# Altium PCB WX0.011.749PCB-4.2.PcbDoc (part 3 of 3)
Units mil, origin at the board's own origin, x right, y up, seen from the top; angles counter-clockwise.
Board outline 4498.23 x 1899.81 mil, 2 copper layers (Top Layer, Bottom Layer), stack 12.8 mil thick; 195 components, 148 nets, 684 pads, 621 vias.
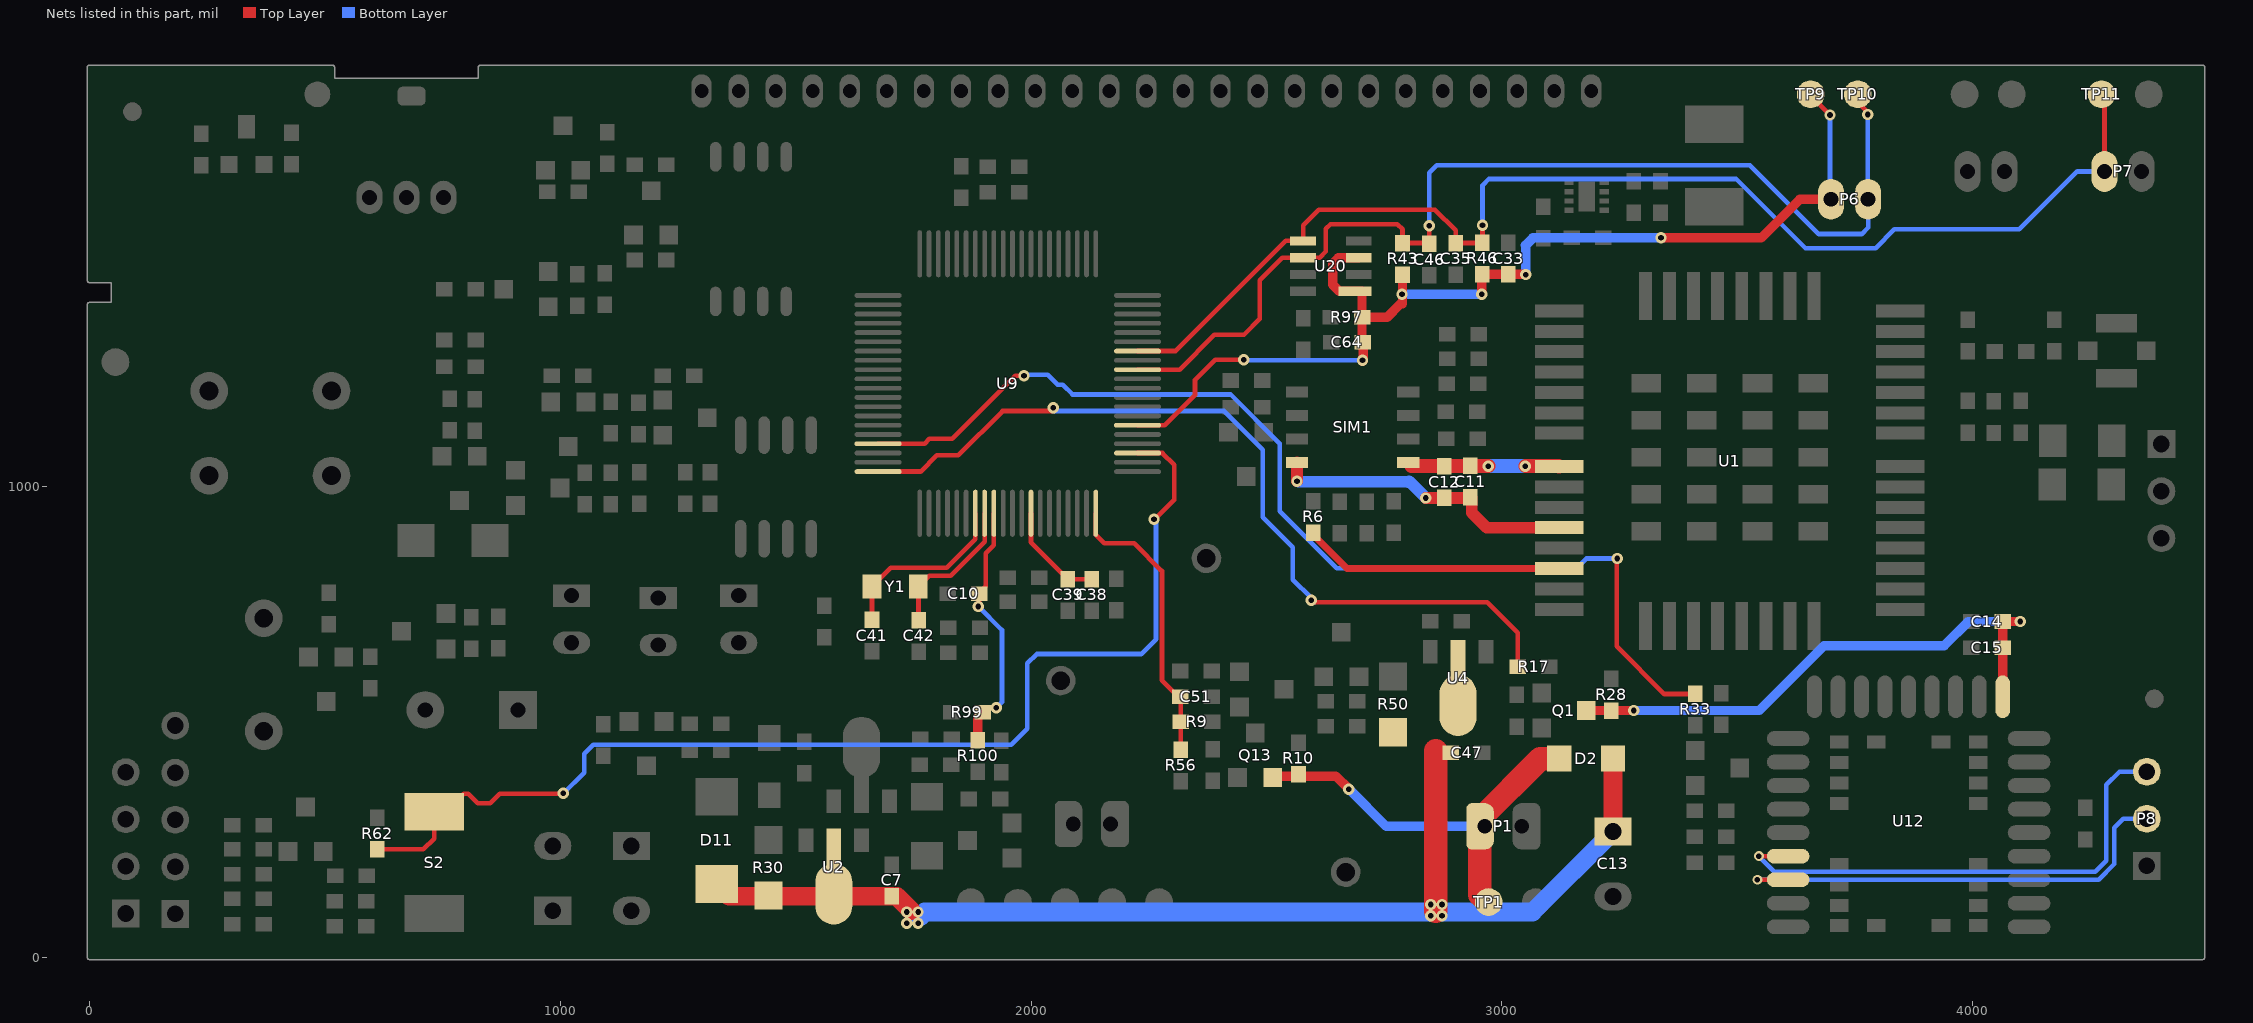
[diagram p3: the nets of this part, all layers, seen from the top]

## Via types
v1: diameter 24, hole 12, Top Layer to Bottom Layer, tented both sides, 618 vias
v2: diameter 21, hole 12, Top Layer to Bottom Layer, tented both sides, 3 vias

## Nets (pads, with @x,y where several pads share a name; then routed paths per layer and width w, separated by ;. In a path a pad name is that pad's centre, name@x,y a point inside that pad or via, vN(x,y) a via of type N, cw(c..) or ccw(c..) an arc to the next point about the centre after c; other vN are vias at no path point) (continued)
USIM_GND: C11.2 C12.2 SIM1.1 U1.8 | length 314.2
  Top Layer w30: SIM1.1@2808.29,1043.51 C11.2@2933,1043.51 C11.2@2936,1043.51 ; C11.2@2936,1042.51 2936.49,1043 v1(2971,1043) ; v1(3050,1043) 3120.61,1043 3121.61,1042 U1.8@3121.79,1042.19
  Bottom Layer w30: v1(2971,1043) v1(3050,1043)
USIM_RST: R6.2 U1.13 | length 554.8
  Top Layer w15: R6.2@2599,900 2599,898 2671.35,825.65 U1.13@3121.79,825.65
USIM_VDD: C11.1 C12.1 SIM1.8 U1.11 | length 655
  Top Layer w25: v1(2565,1011) SIM1.8@2565,1050.57 ; v1(2838.49,975.51) C12.1@2878,975.51 C11.1@2936,975.51 ; C11.1@2936,976.51 C11.1@2936,975.51 ; U1.11@3121.79,912.27 2967.73,912.27 2936,944 C11.1@2936,975.51
  Bottom Layer w25: v1@2568,1010 2800,1010 2801,1009 2803,1011 v1(2838.49,975.51)
VDD_XS: C14.1 C15.1 Q1.3 R28.1 U12.10@4063.94,553.15 | length 1196.9
  Top Layer w20: Q1.3@3179.24,524 v1(3280,524) ; U12.10@4063.94,553.15 C14.1@4063.94,713 ; C14.1@4064,713 v1(4101,713)
  Bottom Layer w20: v1(3280,524) 3546.89,524 3684.32,661.43 3939.43,661.43 3991,713 v1(4101,713)
VDD_XS_CTL: R17.1 U9.80 | length 1802.2
  Top Layer w10: U9.80@1674.93,1031.58 1765.13,1031.58 1799.55,1066 1845.43,1066 1939.43,1160 v1@2048,1160 ; v1(2595,758) 2599,754 2969,754 3034,689 R17.1@3034,617
  Bottom Layer w10: v1@2047,1160 2410,1160 2492,1078 2492,934.96 2556,870.96 2556,802.25 v1@2595,763.25
  other v1: 2047,1167
VIN: D2.1 P1.1 Q13.2 R10.2 TP1.1 | length 899.8
  Top Layer w20: Q13.2@2514.4,384.76 2647.24,384.76 v1(2675,357) ; P1.1@2948,278 2953,278 P1.1@2963.63,278
  Top Layer w50: P1.1@2953,293 2953,278 2953,133 TP1.1@2971,115 ; P1.1@2954,294 3082,422 D2.1@3121.83,422
  Bottom Layer w20: v1(2675,357) 2754,278 P1.1@2948,278
VIN_ADC: C51.2 R9.2 R56.1 U9.20 | length 610.7
  Top Layer w10: U9.20@2137.52,943 2137.52,896.98 2155.51,879 2219.26,879 2278,820.26 2278,588 C51.2@2313.5,552.5 ; R56.1@2318,441 R9.2@2318,500 C51.2@2318,551
VIN_N: C7.1 C13.1 C47.1 D2.2 D11.2 R30.1 R50.1 U2.2 U4.2 | length 2458.2
  Top Layer w40: D11.2@1357.99,129.51 C7.1@1704,129.51 ; C7.1@1714.49,129.51 v1@1745,99 ; C13.1@3236,266.9 D2.2@3236,422
  Top Layer w50: 2860,98 2860,439 ; U4.2@2907,535 U4.2@2907,559.26
  Bottom Layer w40: v1@1763.11,85 1774.11,96 3065.1,96 C13.1@3235,265.9 ; C13.1@3235.47,265.9 C13.1@3235,265.9 ; C13.1@3236,266.9 C13.1@3235,265.9
  other v1: 1736,72 1760,72 2849,88 2873,88 1736,96 1760,96 2849,112 2873,112
VREF+: C38.1 C39.1 U9.13 | length 222
  Top Layer w10: U9.13@1999.73,943 1999.73,881.11 C39.1@2077.84,803 ; C39.1@2079.51,803 C38.1@2129.18,803
VRTC: C10.1 R99.1 R100.2 U9.9 | length 549.8
  Top Layer w10: v1(1888,745) 1888.98,745 1889.49,745.51 C10.1@1889.49,772 ; C10.1@1888,772 1903.99,787.99 1903.99,857.99 1920.99,874.99 U9.9@1920.99,943 ; R99.1@1897,520 1907,530 v1(1926,530)
  Top Layer w20: R100.2@1887,461 1887,510 R99.1@1897,520
  Bottom Layer w10: v1(1888,745) 1938,695 1938,542 v1(1926,530)
WY_POW: C33.2 C64.2 P6.1 R43.1 R46.2 R97.2 TP9.1 U9.26 U20.1 U20.3 | length 2330.3
  Top Layer w10: U9.26@2226.11,1130.01 2284.01,1130.01 2348,1194 2348,1226 2391,1269 v1(2452,1269) ; v1@3049,1451 3050,1450 v1(3051,1450) ; TP9.1@3656,1831 3697,1790 v1(3697,1789)
  Top Layer w20: U20.3@2695.97,1485.71 2652.71,1485.71 2641,1474 2641,1428 2654.16,1414.84 U20.1@2688.09,1414.84 2703,1414.84 R97.2@2703,1359 ; C64.2@2703.51,1303 C64.2@2705.51,1298 ; v1@2704,1265.98 v1(2704,1268) ; v1@2705.51,1267.49 C64.2@2705.51,1298 ; 2785,1388 2756,1359 R97.2@2703,1359 ; 2789,1388 R43.1@2789,1441.84 ; v1(2957,1408) 2957,1450 R46.2@2958,1451 3013.49,1451 C33.2@3014,1450.49 3048.49,1450.49 v1@3049,1451 ; v1(3338,1528) 3551,1528 3633,1610 P6.1@3699.26,1610 ; R97.2@2703,1359 2703,1296.51 C64.2@2705.51,1298
  Bottom Layer w10: v1(2452,1269) 2453,1268 v1(2704,1268) ; v1(3697,1789) 3697,1612.26 P6.1@3699.26,1610
  Bottom Layer w20: v1(2788,1408) v1@2955,1408 ; v1(3051,1450) 3051,1511 3050,1512 3066,1528 v1(3338,1528)
WY_SCL: C35.1 P7.1 R46.1 TP11.1 U9.34 U20.5 | length 2660.5
  Top Layer w10: U9.34@2226.11,1287.49 2306.74,1287.49 2541.25,1522 2577,1522 U20.5@2577.86,1521.14 2577.86,1554.86 2611,1588 2857.84,1588 2902,1543.84 C35.1@2902,1516.98 2948.98,1516.98 R46.1@2958,1526 ; R46.1@2959,1518 v1(2959,1555) ; P7.1@4280.26,1669 TP11.1@4280.26,1826.74
  Bottom Layer w10: v1(2959,1555) 2959,1640 2972,1653 3498,1653 3645,1506 3794,1506 3834,1546 4099,1546 4222,1669 P7.1@4280.26,1669
WY_SDA: C46.1 P6.2 R43.2 TP10.1 U9.32 U20.6 | length 2293.4
  Top Layer w10: U9.32@2226.11,1248.12 2315.45,1248.12 2389.33,1322 2452.25,1322 2486,1355.74 2486,1438 2533.71,1485.71 U20.6@2577.86,1485.71 2612.71,1485.71 2626,1499 2626,1547 2636,1557 2778,1557 2789,1546 R43.2@2789,1517 2842,1517 2846,1521 v1@2846,1546 ; TP10.1@3756,1833 3756,1816 3777,1795 v1(3777,1790)
  Bottom Layer w10: v1(2846,1554) 2846,1666 2862,1682 3527,1682 3673,1536 3764,1536 3778,1550 P6.2@3778,1610 3777,1611 v1(3777,1790)
X1: R62.1 S2.1 U9.23 | length 2472.9
  Top Layer w10: R62.1@611,229 709,229 732,252 S2.1@732,309 757,309 795,347 804.75,347 824.75,327 851.25,327 871.25,347 v1@1005,347 ; U9.23@2226.11,1070.95 2279.05,1070.95 2304,1046 2304,971.25 v1@2261.87,929.13
  Bottom Layer w10: v1@1005,347 v1(1006,348) 1006.75,348 1051,392.25 1051,432 1070,451 1958,451 1992,485 1992,624 2012,644 2233.8,644 2265.5,675.7 2265.5,925.5 v1(2261,930)
XS_R: P8.2 U12.25@3608.03,164.57 | length 991.1
  Top Layer w10: v2(3542.83,164.57) U12.25@3608.03,164.57
  Bottom Layer w10: v2(3542.83,164.57) 4267.61,164.57 4301,197.96 4301,275 4320,294 P8.2@4370,294
XS_RST: R33.1 U9.77 | length 2289.7
  Top Layer w10: U9.77@1674.93,1090.64 1773.64,1090.64 1784,1101 1832.34,1101 1966.34,1235 v1(1985,1235) ; v1@3244,847 3244,660.3 3345.3,559 3410,559 R33.1@3411,560
  Bottom Layer w10: v1(1985,1235) 1987,1237 2035.25,1237 2056.25,1216 2067.3,1216 2088.04,1195.26 2423.78,1195.26 2528,1091.04 2528,947.74 2649.74,826 3159,826 3180,847 v1(3245,847)
XS_T: P8.3 U12.24@3608.03,214.57 | length 1082
  Top Layer w10: v2(3546,214.57) U12.24@3608.03,214.57
  Bottom Layer w10: v2(3546,214.57) 3579,181.57 4260.57,181.57 4284,205 4284,366 4312,394 P8.3@4370,394
XT1: C42.1 U9.8 Y1.1 | length 312.2
  Top Layer w10: C42.1@1761,716 1761,786.51 Y1.1@1760.51,787 1783.51,810 1829.04,810 1901.3,882.26 U9.8@1901.3,943
XT2: C41.2 U9.7 Y1.2 | length 387.1
  Top Layer w10: C41.2@1662,716.51 1662.08,716.59 Y1.2@1662.08,787 1702.08,827 1821.04,827 1881.62,887.58 U9.7@1881.62,943
pads on no net: MARK1.0 MARK1.1 MARK2.0 MARK2.1 SIM1.4 SIM1.5 U1.3 U1.4 U1.5 U1.6 U1.7 U1.9 U1.14 U1.16 U1.17 U1.20 U1.21 U1.22 U1.23 U1.31 U1.32 U1.33 U1.34 U1.35 U1.36 U1.37 U1.38 U1.39 U1.40 U1.41 U1.44 U1.47 U1.51 U1.52 U1.53 U1.55 U1.57 U1.59 U1.60 U1.61 U1.63 U1.65 U8.2 U8.4 U8.5 U12.1 U12.2@3645.43,23.62 U12.2@4104.09,114.57 U12.3 U12.4 U12.5 U12.6@4104.09,314.57 U12.7 U12.8 U12.9 U12.10@4063.94,537.4 U12.11@4013.94,537.4 U12.12@3963.94,537.4 U12.13 U12.14 U12.15 U12.16 U12.17@3713.94,537.4 U12.18@3663.94,537.4 U12.19 U12.20 U12.21@3623.78,364.57 U12.22@3623.78,314.57 U12.23@3623.78,264.57 U12.24@3623.78,214.57 U12.25@3623.78,164.57 U12.26@3623.78,114.57 U12.27 U12.28 U12.32 U12.34 U12.35 U12.36 U12.37 U12.39 U12.40 U12.41 U12.42 U12.43 U12.44 U12.45 U12.46 U12.47 U20.4 U20.7

## Polygon pours and split planes (outlines as drawn)
GND on Top Layer "Top Layer-No Net2" (solid, remove dead copper, pour order 8): -5.01,0 ccw(c0,0) 0.07,-5.02 4488.19,-5.02 ccw(c4488.19,0) 4491.74,-3.54 ccw(c4488.2,0.01) 4493.22,0.01 4493.22,1889.78 ccw(c4488.2,1889.78) 4488.2,1894.8 830.73,1894.8 ccw(c830.73,1889.78) 825.72,1889.78 ccw(c830.73,1889.78) 825.72,1889.78 825.72,1867.06 520.79,1867.06 520.79,1889.78 ccw(c515.77,1889.78) 515.77,1894.8 0,1894.8 ccw(c0,1889.78) -5.01,1889.78 -5.01,1438.01 ccw(c0,1438.01) 0.51,1433.02 ccw(c1.01,1438.01) 1.01,1432.99 46.16,1432.99 46.16,1390.84 0.82,1390.84 ccw(c0.83,1385.82) 0.41,1390.82 ccw(c0,1385.82) -5.01,1385.82
GND on Bottom Layer "Top Layer-No Net" (solid, remove dead copper, pour order 9): -5.01,0 ccw(c0,0) 0.07,-5.02 4488.19,-5.02 ccw(c4488.19,0) 4491.74,-3.54 ccw(c4488.2,0.01) 4493.22,0.01 4493.22,1889.78 ccw(c4488.2,1889.78) 4488.2,1894.8 830.73,1894.8 ccw(c830.73,1889.78) 825.72,1889.78 ccw(c830.73,1889.78) 825.72,1889.78 825.72,1867.06 520.79,1867.06 520.79,1889.78 ccw(c515.77,1889.78) 515.77,1894.8 0,1894.8 ccw(c0,1889.78) -5.01,1889.78 -5.01,1438.01 ccw(c0,1438.01) 0.51,1433.02 ccw(c1.01,1438.01) 1.01,1432.99 46.16,1432.99 46.16,1390.84 0.82,1390.84 ccw(c0.83,1385.82) 0.41,1390.82 ccw(c0,1385.82) -5.01,1385.82

## Keep-outs
Keep-Out Layer:
  circle w10: c177.17,1497.08 r59.06
  circle w10: c177.17,1496.08 r59.06
  circle w10: c4311.03,1496.05 r59.06
  circle w10: c4311.02,728.33 r59.06
  circle w8: c177.16,728.36 r59.06
  circle w8: c177.15,729.36 r59.06
  circle w10: c177.17,1496.08 r59.06
  circle w10: c4311.03,1496.05 r59.06
  circle w10: c4311.02,728.33 r59.06
  circle w8: c177.15,729.36 r59.06
  circle w10: c177.17,1496.08 r59.06
  circle w10: c4311.03,1496.05 r59.06
  circle w10: c4311.02,728.33 r59.06
  circle w8: c177.16,729.36 r59.06
  circle w10: c177.17,1496.08 r59.06
  circle w10: c4311.03,1496.05 r59.06
  circle w10: c4311.03,728.33 r59.06
  circle w8: c177.16,728.36 r59.06
  circle w10: c177.17,1496.08 r59.06
  circle w10: c4311.03,1496.05 r59.06
  circle w10: c4311.02,728.33 r59.06
  circle w8: c177.16,728.36 r59.06
  circle w10: c177.17,1496.08 r59.06
  circle w10: c4311.03,1496.05 r59.06
  circle w10: c4311.02,728.33 r59.06
  circle w8: c177.16,728.36 r59.06
  circle w10: c177.17,1496.08 r59.06
  circle w10: c4311.03,1496.05 r59.06
  circle w10: c4311.02,728.33 r59.06
  circle w10: c177.16,728.36 r59.06
  circle w10: c4311.03,728.33 r59.06
  circle w10: c4311.03,1496.05 r59.06
  circle w10: c177.17,1496.08 r59.06
  circle w10: c177.16,728.36 r59.06
  circle w10: c4311.03,728.33 r59.06
  circle w10: c4311.03,1496.05 r59.06
  circle w10: c177.17,1496.08 r59.06
  circle w8: c177.16,729.36 r59.06
  circle w10: c177.17,1497.08 r59.06
  circle w10: c4311.03,1497.05 r59.06
  circle w10: c4311.02,729.33 r59.06
  circle w5: c502.76,590.55 r11.81
  circle w8: c177.15,729.36 r59.06
  circle w10: c177.17,1496.08 r59.06
  circle w10: c4311.03,1496.05 r59.06
  circle w10: c4311.02,728.33 r59.06
  circle w10: c4311.03,7177.15 r59.06
  circle w10: c4311.03,7944.87 r59.06
  circle w10: c177.17,7944.9 r59.06
  circle w8: c177.16,7178.18 r59.06
  circle w10: c4311.03,7178.15 r59.06
  circle w10: c4311.03,7945.87 r59.06
  circle w10: c177.17,7945.9 r59.06
  circle w8: c177.16,7178.18 r59.06
  circle w10: c177.17,7944.9 r59.06
  circle w10: c4311.03,7944.87 r59.06
  circle w10: c4311.03,7177.15 r59.06
  circle w10: c177.17,7177.18 r59.06
  circle w10: c177.17,7944.9 r59.06
  circle w10: c4311.03,7944.87 r59.06
  circle w10: c4311.03,7177.15 r59.06
  circle w10: c177.17,7177.18 r59.06
  circle w10: c4311.03,7177.15 r59.06
  circle w10: c4311.03,7944.87 r59.06
  circle w10: c177.17,7944.9 r59.06
  circle w8: c177.16,7177.18 r59.06
  circle w10: c4311.03,7177.15 r59.06
  circle w10: c4311.03,7944.87 r59.06
  circle w10: c177.17,7944.9 r59.06
  circle w8: c177.16,7177.18 r59.06
  circle w10: c4311.03,7177.15 r59.06
  circle w10: c4311.03,7944.87 r59.06
  circle w10: c177.17,7944.9 r59.06
  circle w8: c177.16,7177.18 r59.06
  circle w10: c4311.03,7177.15 r59.06
  circle w10: c4311.03,7944.87 r59.06
  circle w10: c177.17,7944.9 r59.06
  circle w8: c177.16,7178.18 r59.06
  circle w10: c4311.03,7177.15 r59.06
  circle w10: c4311.03,7944.87 r59.06
  circle w10: c177.17,7944.9 r59.06
  circle w8: c177.16,7178.18 r59.06
  circle w10: c4311.03,7177.15 r59.06
  circle w10: c4311.03,7944.87 r59.06
  circle w10: c177.17,7944.9 r59.06
  circle w8: c177.16,7178.18 r59.06
  circle w8: c177.16,7177.18 r59.06
  circle w10: c4311.03,7177.15 r59.06
  circle w10: c4311.03,7944.87 r59.06
  circle w10: c177.17,7944.9 r59.06
  circle w10: c177.17,7945.9 r59.06
  circle w10: c4311.03,5027.55 r59.06
  circle w10: c4311.04,5795.26 r59.06
  circle w10: c177.18,5795.29 r59.06
  circle w8: c177.16,5028.57 r59.06
  circle w10: c4311.03,5028.55 r59.06
  circle w10: c4311.04,5796.26 r59.06
  circle w10: c177.18,5796.29 r59.06
  circle w8: c177.16,5028.58 r59.06
  circle w10: c177.18,5795.29 r59.06
  circle w10: c4311.04,5795.26 r59.06
  circle w10: c4311.03,5027.55 r59.06
  circle w10: c177.17,5027.58 r59.06
  circle w10: c177.18,5795.29 r59.06
  circle w10: c4311.04,5795.26 r59.06
  circle w10: c4311.03,5027.55 r59.06
  circle w10: c177.17,5027.58 r59.06
  circle w10: c4311.03,5027.55 r59.06
  circle w10: c4311.04,5795.26 r59.06
  circle w10: c177.18,5795.29 r59.06
  circle w8: c177.16,5027.58 r59.06
  circle w10: c4311.03,5027.55 r59.06
  circle w10: c4311.04,5795.26 r59.06
  circle w10: c177.18,5795.29 r59.06
  circle w8: c177.16,5027.58 r59.06
  circle w10: c4311.03,5027.55 r59.06
  circle w10: c4311.04,5795.26 r59.06
  circle w10: c177.18,5795.29 r59.06
  circle w8: c177.16,5027.58 r59.06
  circle w10: c4311.03,5027.55 r59.06
  circle w10: c4311.04,5795.26 r59.06
  circle w10: c177.18,5795.29 r59.06
  circle w8: c177.16,5028.58 r59.06
  circle w10: c4311.03,5027.55 r59.06
  circle w10: c4311.04,5795.26 r59.06
  circle w10: c177.18,5795.29 r59.06
  circle w8: c177.16,5028.57 r59.06
  circle w10: c4311.03,5027.55 r59.06
  circle w10: c4311.04,5795.26 r59.06
  circle w10: c177.18,5795.29 r59.06
  circle w8: c177.16,5028.57 r59.06
  circle w8: c177.16,5027.57 r59.06
  circle w10: c4311.03,5027.55 r59.06
  circle w10: c4311.04,5795.26 r59.06
  circle w10: c177.18,5795.29 r59.06
  circle w10: c177.18,5796.29 r59.06
  circle w10: c4311.03,2877.94 r59.06
  circle w10: c4311.04,3645.66 r59.06
  circle w10: c177.18,3645.69 r59.06
  circle w8: c177.16,2878.97 r59.06
  circle w10: c4311.03,2878.94 r59.06
  circle w10: c4311.04,3646.66 r59.06
  circle w10: c177.18,3646.69 r59.06
  circle w8: c177.16,2878.97 r59.06
  circle w10: c177.18,3645.69 r59.06
  circle w10: c4311.04,3645.66 r59.06
  circle w10: c4311.03,2877.94 r59.06
  circle w10: c177.17,2877.97 r59.06
  circle w10: c177.18,3645.69 r59.06
  circle w10: c4311.04,3645.66 r59.06
  circle w10: c4311.03,2877.94 r59.06
  circle w10: c177.17,2877.97 r59.06
  circle w10: c4311.03,2877.94 r59.06
  circle w10: c4311.04,3645.66 r59.06
  circle w10: c177.18,3645.69 r59.06
  circle w8: c177.16,2877.97 r59.06
  circle w10: c4311.03,2877.94 r59.06
  circle w10: c4311.04,3645.66 r59.06
  circle w10: c177.18,3645.69 r59.06
  circle w8: c177.16,2877.97 r59.06
  circle w10: c4311.03,2877.94 r59.06
  circle w10: c4311.04,3645.66 r59.06
  circle w10: c177.18,3645.69 r59.06
  circle w8: c177.16,2877.97 r59.06
  circle w10: c4311.03,2877.94 r59.06
  circle w10: c4311.04,3645.66 r59.06
  circle w10: c177.18,3645.69 r59.06
  circle w8: c177.16,2878.97 r59.06
  circle w10: c4311.03,2877.94 r59.06
  circle w10: c4311.04,3645.66 r59.06
  circle w10: c177.18,3645.69 r59.06
  circle w8: c177.16,2878.97 r59.06
  circle w10: c4311.03,2877.94 r59.06
  circle w10: c4311.04,3645.66 r59.06
  circle w10: c177.18,3645.69 r59.06
  circle w8: c177.16,2878.97 r59.06
  circle w8: c177.16,2877.97 r59.06
  circle w10: c4311.03,2877.94 r59.06
  circle w10: c4311.04,3645.66 r59.06
  circle w10: c177.18,3645.69 r59.06
  circle w10: c177.18,3646.69 r59.06
  lines w5: 3690,-1 3715,-1 ; 3690,-1 3715,-1 ; 3690,-1 3715,-1 ; 3690,-1 3715,-1 ; 3690.01,2148.61 3715.01,2148.61 ; 3690.01,2148.61 3715.01,2148.61 ; 3690.01,2148.61 3715.01,2148.61 ; 3690.01,2148.61 3715.01,2148.61 ; 3690.01,4298.21 3715.01,4298.21 ; 3690.01,4298.21 3715.01,4298.21 ; 3690.01,4298.21 3715.01,4298.21 ; 3690.01,4298.21 3715.01,4298.21 ; 3690,6447.82 3715,6447.82 ; 3690,6447.82 3715,6447.82 ; 3690,6447.82 3715,6447.82 ; 3690,6447.82 3715,6447.82
  lines w10: 0,1385.82 0,0 ; 0,1438.01 0,1889.78 515.77,1889.78 ; 0.01,3535.43 0.01,2149.61 4488.2,2149.61 4488.21,4039.39 830.74,4039.39 ; 0.01,3587.61 0.01,4039.39 515.78,4039.39 ; 0.01,5685.04 0.01,4299.21 4488.2,4299.21 ; 0.01,5737.22 0.01,6189 515.78,6189 ; 0,7834.65 0,6448.82 4488.2,6448.82 4488.2,8338.6 ; 0,7886.83 0,8338.6 ; 0.82,1385.82 51.18,1385.82 ; 0.83,3535.43 51.19,3535.43 ; 0.83,5685.04 51.19,5685.04 ; 0.83,7834.65 51.18,7834.65 ; 1.01,1438.01 51.18,1438.01 51.18,1387 ; 1.01,3587.61 51.19,3587.61 51.19,3536.61 ; 1.01,5737.22 51.19,5737.22 51.19,5686.22 ; 1.01,7886.83 51.18,7886.83 51.18,7835.83 ; 4488.21,4299.22 4488.21,6189 830.74,6189 ; 0,0 4488.19,0 ; 0.01,0.01 0.01,8338.6 ; 0,0 -118.11,0 -118.1,8338.6 -0.01,8338.59 ; 0,8338.6 515.77,8338.6 ; 515.77,1861.05 515.77,1888.78 ; 515.77,1861.05 830.73,1861.05 ; 515.77,1861.05 515.77,1888.78 ; 515.77,1861.05 830.73,1861.05 ; 515.77,1861.05 515.77,1888.78 ; 515.77,1861.05 830.73,1861.05 ; 515.77,1861.05 515.77,1888.78 ; 515.77,1861.05 830.73,1861.05 ; 515.77,1861.05 515.77,1888.78 ; 515.77,1861.05 830.73,1861.05 ; 515.77,1861.05 515.77,1888.78 ; 515.77,1861.05 830.73,1861.05 ; 515.77,1861.05 515.77,1888.78 ; 515.77,1861.05 830.73,1861.05 ; 515.77,1861.05 515.77,1888.78 ; 515.77,1861.05 830.73,1861.05 ; 515.77,1861.05 515.77,1888.78 ; 515.77,1861.05 830.73,1861.05 ; 515.77,1861.05 515.77,1888.78 ; 515.77,1861.05 830.73,1861.05 ; 515.77,1861.05 515.77,1888.78 ; 515.77,1861.05 830.73,1861.05 ; 515.77,1861.05 515.77,1888.78 ; 515.77,1861.05 830.73,1861.05 ; 515.77,1861.05 830.73,1861.05 ; 515.77,1861.05 515.77,1888.78 ; 515.77,1861.05 830.73,1861.05 ; 515.77,1861.05 515.77,1888.78 ; 515.77,1861.05 830.73,1861.05 ; 515.77,1861.05 515.77,1888.78 ; 515.77,1861.05 515.77,1888.78 ; 515.77,1861.05 830.73,1861.05 ; 515.77,1861.05 515.77,1888.78 ; 515.77,1861.05 830.73,1861.05 ; 515.77,1861.05 515.77,1888.78 ; 515.77,1861.05 830.73,1861.05 ; 515.77,1862.05 515.77,1889.78 ; 515.77,1862.05 830.73,1862.05 ; 515.77,1862.05 515.77,1889.78 ; 515.77,1862.05 830.73,1862.05 ; 515.77,1862.05 515.77,1889.78 ; 515.77,1862.05 830.73,1862.05 ; 515.77,1862.05 515.77,1889.78 ; 515.77,1862.05 830.73,1862.05 ; 515.77,1862.05 830.73,1862.05 ; 515.77,1862.05 515.77,1889.78 ; 515.77,1862.05 515.77,1889.78 ; 515.77,1862.05 830.73,1862.05 ; 515.78,4010.65 830.74,4010.65 ; 515.78,4010.65 515.78,4038.39 ; 515.78,4010.65 830.74,4010.65 ; 515.78,4010.65 515.78,4038.39 ; 515.78,4010.65 830.74,4010.65 ; 515.78,4010.65 515.78,4038.39 ; 515.78,4010.65 515.78,4038.39 ; 515.78,4010.65 830.74,4010.65 ; 515.78,4010.65 515.78,4038.39 ; 515.78,4010.65 830.74,4010.65 ; 515.78,4010.65 515.78,4038.39 ; 515.78,4010.65 830.74,4010.65 ; 515.78,4010.65 830.74,4010.65 ; 515.78,4010.65 515.78,4038.39 ; 515.78,4010.65 830.74,4010.65 ; 515.78,4010.65 515.78,4038.39 ; 515.78,4010.65 830.74,4010.65 ; 515.78,4010.65 515.78,4038.39 ; 515.78,4010.65 830.74,4010.65 ; 515.78,4010.65 515.78,4038.39 ; 515.78,4010.65 830.74,4010.65 ; 515.78,4010.65 515.78,4038.39 ; 515.78,4010.65 830.74,4010.65 ; 515.78,4010.65 515.78,4038.39 ; 515.78,4010.65 830.74,4010.65 ; 515.78,4010.65 515.78,4038.39 ; 515.78,4010.65 830.74,4010.65 ; 515.78,4010.65 515.78,4038.39 ; 515.78,4010.65 830.74,4010.65 ; 515.78,4010.65 515.78,4038.39 ; 515.78,4010.65 830.74,4010.65 ; 515.78,4010.65 515.78,4038.39 ; 515.78,4010.65 830.74,4010.65 ; 515.78,4010.65 515.78,4038.39 ; 515.78,4010.65 830.74,4010.65 ; 515.78,4010.65 515.78,4038.39 ; 515.78,4011.65 830.74,4011.65 ; 515.78,4011.65 515.78,4039.39 ; 515.78,4011.65 515.78,4039.39 ; 515.78,4011.65 830.74,4011.65 ; 515.78,4011.65 830.74,4011.65 ; 515.78,4011.65 515.78,4039.39 ; 515.78,4011.65 830.74,4011.65 ; 515.78,4011.65 515.78,4039.39 ; 515.78,4011.65 830.74,4011.65 ; 515.78,4011.65 515.78,4039.39 ; 515.78,4011.65 830.74,4011.65 ; 515.78,4011.65 515.78,4039.39 ; 515.78,6160.26 830.74,6160.26 ; 515.78,6160.26 515.78,6187.99 ; 515.78,6160.26 830.74,6160.26 ; 515.78,6160.26 515.78,6187.99 ; 515.78,6160.26 830.74,6160.26 ; 515.78,6160.26 515.78,6187.99 ; 515.78,6160.26 515.78,6188 ; 515.78,6160.26 830.74,6160.26 ; 515.78,6160.26 515.78,6188 ; 515.78,6160.26 830.74,6160.26 ; 515.78,6160.26 515.78,6188 ; 515.78,6160.26 830.74,6160.26 ; 515.78,6160.26 830.74,6160.26 ; 515.78,6160.26 515.78,6188 ; 515.78,6160.26 830.74,6160.26 ; 515.78,6160.26 515.78,6188 ; 515.78,6160.26 830.74,6160.26 ; 515.78,6160.26 515.78,6188 ; 515.78,6160.26 830.74,6160.26 ; 515.78,6160.26 515.78,6187.99 ; 515.78,6160.26 830.74,6160.26 ; 515.78,6160.26 515.78,6187.99 ; 515.78,6160.26 830.74,6160.26 ; 515.78,6160.26 515.78,6187.99 ; 515.78,6160.26 830.74,6160.26 ; 515.78,6160.26 515.78,6187.99 ; 515.78,6160.26 830.74,6160.26 ; 515.78,6160.26 515.78,6187.99 ; 515.78,6160.26 830.74,6160.26 ; 515.78,6160.26 515.78,6187.99 ; 515.78,6160.26 830.74,6160.26 ; 515.78,6160.26 515.78,6188 ; 515.78,6160.26 830.74,6160.26 ; 515.78,6160.26 515.78,6187.99 ; 515.78,6160.26 830.74,6160.26 ; 515.78,6160.26 515.78,6187.99 ; 515.78,6161.26 830.74,6161.26 ; 515.78,6161.26 515.78,6188.99 ; 515.78,6161.26 515.78,6189 ; 515.78,6161.26 830.74,6161.26 ; 515.78,6161.26 830.74,6161.26 ; 515.78,6161.26 515.78,6189 ; 515.78,6161.26 830.74,6161.26 ; 515.78,6161.26 515.78,6188.99 ; 515.78,6161.26 830.74,6161.26 ; 515.78,6161.26 515.78,6188.99 ; 515.78,6161.26 830.74,6161.26 ; 515.78,6161.26 515.78,6189 ; 515.77,8309.87 830.73,8309.87 ; 515.77,8309.87 515.77,8337.6 ; 515.77,8309.87 830.73,8309.87 ; 515.77,8309.87 515.77,8337.6 ; 515.77,8309.87 830.73,8309.87 ; 515.77,8309.87 515.77,8337.6 ; 515.77,8309.87 515.77,8337.6 ; 515.77,8309.87 830.73,8309.87 ; 515.77,8309.87 515.77,8337.6 ; 515.77,8309.87 830.73,8309.87 ; 515.77,8309.87 515.77,8337.6 ; 515.77,8309.87 830.73,8309.87 ; 515.77,8309.87 830.73,8309.87 ; 515.77,8309.87 515.77,8337.6 ; 515.77,8309.87 830.73,8309.87 ; 515.77,8309.87 515.77,8337.6 ; 515.77,8309.87 830.73,8309.87 ; 515.77,8309.87 515.77,8337.6 ; 515.77,8309.87 830.73,8309.87 ; 515.77,8309.87 515.77,8337.6 ; 515.77,8309.87 830.73,8309.87 ; 515.77,8309.87 515.77,8337.6 ; 515.77,8309.87 830.73,8309.87 ; 515.77,8309.87 515.77,8337.6 ; 515.77,8309.87 830.73,8309.87 ; 515.77,8309.87 515.77,8337.6 ; 515.77,8309.87 830.73,8309.87 ; 515.77,8309.87 515.77,8337.6 ; 515.77,8309.87 830.73,8309.87 ; 515.77,8309.87 515.77,8337.6 ; 515.77,8309.87 830.73,8309.87 ; 515.77,8309.87 515.77,8337.6 ; 515.77,8309.87 830.73,8309.87 ; 515.77,8309.87 515.77,8337.6 ; 515.77,8309.87 830.73,8309.87 ; 515.77,8309.87 515.77,8337.6 ; 515.77,8310.87 830.73,8310.87 ; 515.77,8310.87 515.77,8338.6 ; 515.77,8310.87 515.77,8338.6 ; 515.77,8310.87 830.73,8310.87 ; 515.77,8310.87 830.73,8310.87 ; 515.77,8310.87 515.77,8338.6 ; 515.77,8310.87 830.73,8310.87 ; 515.77,8310.87 515.77,8338.6 ; 515.77,8310.87 830.73,8310.87 ; 515.77,8310.87 515.77,8338.6 ; 515.77,8310.87 830.73,8310.87 ; 515.77,8310.87 515.77,8338.6 ; 830.73,1861.05 830.73,1888.78 ; 830.73,1861.05 830.73,1888.78 ; 830.73,1861.05 830.73,1888.78 ; 830.73,1861.05 830.73,1888.78 ; 830.73,1861.05 830.73,1888.78 ; 830.73,1861.05 830.73,1888.78 ; 830.73,1861.05 830.73,1888.78 ; 830.73,1861.05 830.73,1888.78 ; 830.73,1861.05 830.73,1888.78 ; 830.73,1861.05 830.73,1888.78 ; 830.73,1861.05 830.73,1888.78 ; 830.73,1861.05 830.73,1888.78 ; 830.73,1861.05 830.73,1888.78 ; 830.73,1861.05 830.73,1888.78 ; 830.73,1861.05 830.73,1888.78 ; 830.73,1861.05 830.73,1888.78 ; 830.73,1861.05 830.73,1888.78 ; 830.73,1861.05 830.73,1888.78 ; 830.73,1862.05 830.73,1889.78 ; 830.73,1862.05 830.73,1889.78 ; 830.73,1862.05 830.73,1889.78 ; 830.73,1862.05 830.73,1889.78 ; 830.73,1862.05 830.73,1889.78 ; 830.73,1862.05 830.73,1889.78 ; 830.73,1889.78 4488.2,1889.78 4488.2,0.01 ; 830.73,8309.87 830.73,8337.6 ; 830.73,8309.87 830.73,8337.6 ; 830.73,8309.87 830.73,8337.6 ; 830.73,8309.87 830.73,8337.6 ; 830.73,8309.87 830.73,8337.6 ; 830.73,8309.87 830.73,8337.6 ; 830.73,8309.87 830.73,8337.6 ; 830.73,8309.87 830.73,8337.6 ; 830.73,8309.87 830.73,8337.6 ; 830.73,8310.87 830.73,8338.6 ; 830.73,8310.87 830.73,8338.6 ; 830.73,8310.87 830.73,8338.6 ; 830.74,4010.65 830.74,4038.39 ; 830.74,4010.65 830.74,4038.39 ; 830.74,4010.65 830.74,4038.39 ; 830.74,4010.65 830.74,4038.39 ; 830.74,4010.65 830.74,4038.39 ; 830.74,4010.65 830.74,4038.39 ; 830.74,4010.65 830.74,4038.39 ; 830.74,4010.65 830.74,4038.39 ; 830.74,4010.65 830.74,4038.39 ; 830.74,4010.65 830.74,4038.39 ; 830.74,4010.65 830.74,4038.39 ; 830.74,4010.65 830.74,4038.39 ; 830.74,4010.65 830.74,4038.39 ; 830.74,4010.65 830.74,4038.39 ; 830.74,4010.65 830.74,4038.39 ; 830.74,4010.65 830.74,4038.39 ; 830.74,4010.65 830.74,4038.39 ; 830.74,4010.65 830.74,4038.39 ; 830.74,4011.65 830.74,4039.39 ; 830.74,4011.65 830.74,4039.39 ; 830.74,4011.65 830.74,4039.39 ; 830.74,4011.65 830.74,4039.39 ; 830.74,4011.65 830.74,4039.39 ; 830.74,4011.65 830.74,4039.39 ; 830.74,6160.26 830.74,6187.99 ; 830.74,6160.26 830.74,6187.99 ; 830.74,6160.26 830.74,6187.99 ; 830.74,6160.26 830.74,6188 ; 830.74,6160.26 830.74,6188 ; 830.74,6160.26 830.74,6188 ; 830.74,6160.26 830.74,6188 ; 830.74,6160.26 830.74,6188 ; 830.74,6160.26 830.74,6188 ; 830.74,6160.26 830.74,6187.99 ; 830.74,6160.26 830.74,6187.99 ; 830.74,6160.26 830.74,6187.99 ; 830.74,6160.26 830.74,6187.99 ; 830.74,6160.26 830.74,6187.99 ; 830.74,6160.26 830.74,6187.99 ; 830.74,6160.26 830.74,6188 ; 830.74,6160.26 830.74,6187.99 ; 830.74,6160.26 830.74,6187.99 ; 830.74,6161.26 830.74,6188.99 ; 830.74,6161.26 830.74,6189 ; 830.74,6161.26 830.74,6189 ; 830.74,6161.26 830.74,6188.99 ; 830.74,6161.26 830.74,6188.99 ; 830.74,6161.26 830.74,6189 ; 830.73,8309.87 830.73,8337.6 ; 830.73,8309.87 830.73,8337.6 ; 830.73,8309.87 830.73,8337.6 ; 830.73,8309.87 830.73,8337.6 ; 830.73,8309.87 830.73,8337.6 ; 830.73,8309.87 830.73,8337.6 ; 830.73,8309.87 830.73,8337.6 ; 830.73,8309.87 830.73,8337.6 ; 830.73,8309.87 830.73,8337.6 ; 830.73,8310.87 830.73,8338.6 ; 830.73,8310.87 830.73,8338.6 ; 830.73,8310.87 830.73,8338.6 ; 830.73,8338.6 4488.2,8338.6 ; 4488.2,0.01 4488.2,8338.6 ; 4488.21,0 4606.31,0 4606.31,8338.6 4488.21,8338.61

## Other copper
Top Layer:
  rectangle net GND: 3177,1640 3226,1651
  rectangle net 5V: 1412,219 1542,274
  region net GPRS_3.6V: 2678.43,668 2678.43,711 2681.43,714 2726.43,714 2727.43,713 2727.43,666 2725.43,664 2681.77,664
  region net VIN_N: 2739,508 2810.5,508 2839,508 2868,537 2943,537 2947,533 2947,493 2910,456 2910,418.92 2885.1,398 2835,398 2794,439 2739,439
  region net VIN_N: 2885,119.8 2885,79 2879,73 2838,73 2835,76 2835,123 2837,125 2880.67,125
  pour cut-out: 1267,207 1267,286 1323,286 1325,284 1324,283 1324,207
  pour cut-out: 1731.5,757 1738.5,750 1785.5,750 1785.5,807 1780.5,812 1732.5,812
  region net GND: 1597.5,353 1511.5,353 1508.5,350 1508.5,309 1518.5,299 1597.5,299
  region net GPRS_3.6V: 4148,955 4191,955 4194,952 4194,907 4193,906 4146,906 4144,908 4144,951.67
  region net VIN_N: 1727,109 1770,109 1773,106 1773,61 1772,60 1725,60 1723,62 1723,105.67
  region net 5V: 3208,1592 3227,1592 3233,1586 3233,1478 3248,1463 3246,1461 3246,1454 3198,1454 3198,1568 3208,1578
  region net B: 3208,1620 3260,1620 3274,1634 3274,1666 3265,1666 3230,1631 3208,1631
  region net R: 3208,1601 3230,1601 3259,1572 3272,1572 3272,1592 3252,1612 3208,1612
  region net 5V: 3242.8,1415 3204,1415 3198,1421 3198,1464 3199,1465 3246,1465 3248,1463 3248,1419.33
  region net GND: 1625,273 1698,273 1698,234 1624,234
  pour cut-out: 977,1044.89 977,1036 999,1036 1000,1037 1000,1045
  pour cut-out: 4194.06,727.08 ccw(c4312.17,727.08) 4312.17,608.97 ccw(c4312.17,727.08) 4430.28,727.08 ccw(c4312.17,727.08) 4312.17,845.19 ccw(c4312.17,727.08)
  pour cut-out: 57.11,727.77 ccw(c175.22,727.77) 175.22,609.66 ccw(c175.22,727.77) 293.33,727.77 ccw(c175.22,727.77) 175.22,845.88 ccw(c175.22,727.77)
  pour cut-out: 58.14,1497.27 ccw(c176.25,1497.27) 176.25,1379.16 ccw(c176.25,1497.27) 294.36,1497.27 ccw(c176.25,1497.27) 176.25,1615.38 ccw(c176.25,1497.27)
  pour cut-out: 4212.39,1490.43 ccw(c4310.81,1490.43) 4310.81,1392 ccw(c4310.81,1490.43) 4409.24,1490.43 ccw(c4310.81,1490.43) 4310.81,1588.85 ccw(c4310.81,1490.43)
Bottom Layer:
  region net GPRS_3.6V: 2678.43,668 2678.43,711 2681.43,714 2726.43,714 2727.43,713 2727.43,666 2725.43,664 2681.77,664
  region net GPRS_3.6V: 4148,955 4191,955 4194,952 4194,907 4193,906 4146,906 4144,908 4144,951.67
  region net VIN_N: 1725.8,108 1771,108 1773,106 1773,61 1772,60 1725,60 1723,62 1723,105.67
  region net 5V: 3244,1416 3201,1416 3198,1419 3198,1464 3199,1465 3246,1465 3248,1463 3248,1419.33
  pour cut-out: 4204.76,726.05 ccw(c4313.03,726.05) 4313.03,617.78 ccw(c4313.03,726.05) 4421.3,726.05 ccw(c4313.03,726.05) 4313.03,834.32 ccw(c4313.03,726.05)
  pour cut-out: 68.76,728.05 ccw(c177.03,728.05) 177.03,619.78 ccw(c177.03,728.05) 285.3,728.05 ccw(c177.03,728.05) 177.03,836.32 ccw(c177.03,728.05)
  pour cut-out: 69.47,1496.01 ccw(c177.73,1496.01) 177.73,1387.74 ccw(c177.73,1496.01) 286,1496.01 ccw(c177.73,1496.01) 177.73,1604.28 ccw(c177.73,1496.01)
  pour cut-out: 4203.06,1497.31 ccw(c4311.33,1497.31) 4311.33,1389.05 ccw(c4311.33,1497.31) 4419.59,1497.31 ccw(c4311.33,1497.31) 4311.33,1605.58 ccw(c4311.33,1497.31)

## Silkscreen, mask and mechanical layers (free items; w line width, h text height)
Top Overlay:
  circle w50: c2063.49,587.24 r61.5
  circle w50: c2372.49,847.24 r61.5
  circle w10: c177.16,728.36 r118.11
  circle w10: c177.17,1496.08 r118.11
  circle w10: c4311.03,1496.05 r98.43
  circle w10: c4311.02,728.33 r118.11
  circle w50: c2668.49,180.24 r61.5
Bottom Overlay:
  circle w10: c383.86,1112.86 r305.12
  circle w10: c4311.03,1496.05 r118.11
  circle w10: c4311.02,728.33 r118.11
  circle w10: c177.16,728.36 r118.11
  circle w10: c177.17,1496.08 r118.11
  circle w10: c502.76,590.55 r118.11
  lines w4: 354,546 375,546
  lines w6: 966,319 995,319 ; 2194,379 2246,379 ; 3035,380 3084,380
  text "G" at 4449,1559 h30
  text "B" at 4003,1519 h40
  text "R" at 4075,1519 h40
  text "光电" at 728,1485 h70
  text "CHK" at 4148,1470 h30 r270
  text "POW" at 3673,1420 h30 r270
  text "SDA" at 3748,1420 h30 r270
  text "WX0.011.749PCB-4.2" at 4150,1156 h35
  text "102010402-0260" at 4150,1097.75 h35
  text "G" at 4352.15,1067 h60
  text "2025-8-28" at 4150,1039.5 h35
  text "WLWn-P94" at 4150,981.25 h35
  text "R" at 4350.45,972.18 h60
  text "V1" at 4150,923 h35
  text "T" at 4353,878 h60
  text "+" at 1339,817 h30 r270
  text "+" at 1156,816 h30 r270
  text "+" at 984,815 h30 r270
  text "+" at 339,633 h50 r270
  text "S" at 53,593 h30
  text "黑" at 1226.14,549.98 h70
  text "灯" at 1406,548.27 h70
  text "白" at 1037,548 h70
  text "T" at 52,543 h30
  text "R" at 52,499 h30
  text "V" at 264,471 h30
  text "G" at 50,451 h30
  text "备电" at 2216,418 h90
  text "主电" at 3081,417 h90
  text "G" at 264,371 h30
  text "T" at 4314,370 h60
  text "+" at 2003,358 h70 r270
  text "+" at 2919,358 h70 r270
  text "I" at 254,271 h30
  text "R" at 4314,271 h60
  text "G" at 4314,174 h60
  text "C" at 264,171 h30
  text "R" at 264,71 h30
  text "+" at 955,22 h50 r270

## Text inside footprints (layer, text, board x,y; h text height)
B1: Bottom Overlay "+" at 1034,487 h50
C6: Bottom Overlay "+" at 1175,288.65 h50 r90; Bottom Overlay "-" at 1163,49.65 h30 r180
C13: Bottom Overlay "+" at 3280,420 h80 r90
J3: Bottom Overlay "-" at 2705.93,15.57 h30 r325; Bottom Overlay "+" at 2321.12,887.38 h30 r325; Bottom Overlay "+" at 2011.13,629.89 h30 r325; Bottom Overlay "-" at 2865.81,194.38 h30 r325
LCD1: Bottom Overlay "25" at 3384.62,1752.89 h30; Bottom Overlay "1" at 1198.48,1752.89 h30